# Altium PCB 水杯V1.1_ZM_20210702.PcbDoc (continued)
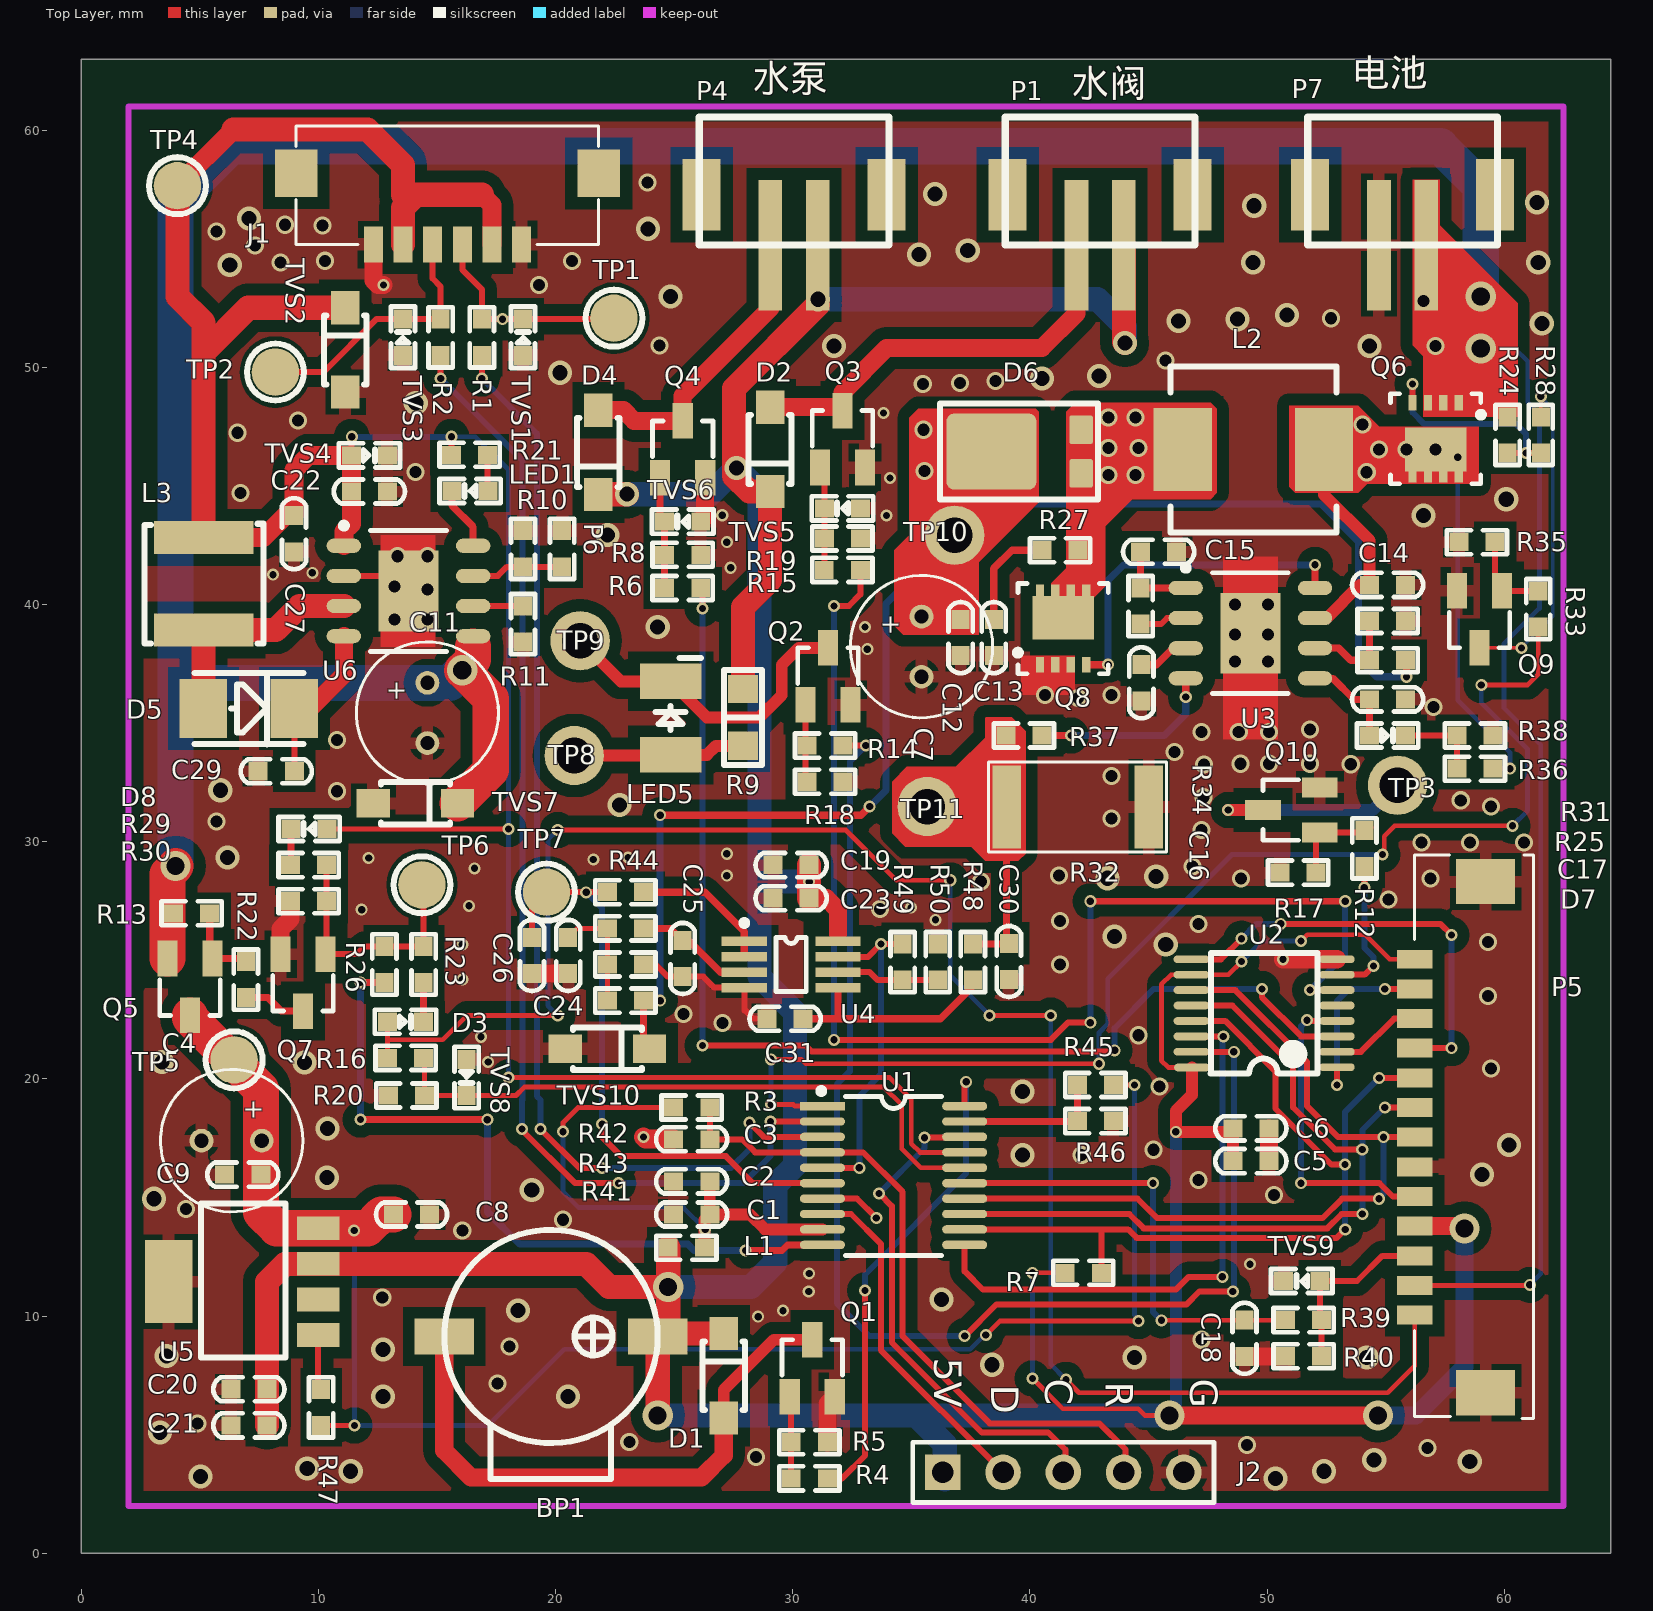
[diagram p0: Top Layer view]
## Footprints (in the part's own frame and the unit in brackets; to place one, negate y for a bottom-side part, rotate by r counter-clockwise, add the part's x,y. Pads: shape width x height; smd on the part's side, far side on the other; paste and mask are expansions set on the pad) (continued)
TO227 [mm] "DPAK"
  rrect20% 1.2x1 smd: 1(-0.92,-3.25) 1(0.92,-3.25)
  rrect20% 3.2x3.8 smd: 2(0,0.533)
  silkscreen extent -2.02,-3.96 2.04,2.69
TP [mm] "Test Point"
  round 2 smd: 1(0,0)
  silkscreen extent -1.2,-1.2 1.2,1.2
TSSOP20 [mm] "20-pin, 4.40 mm body, 0.65"
  rect 1.9x0.356 smd: 1(-3,2.921)
  oval 1.9x0.356 smd: 2(-3,2.271) 3(-3,1.621) 4(-3,0.971) 5(-3,0.321) 6(-3,-0.329) 7(-3,-0.979) 8(-3,-1.629) 9(-3,-2.279) 10(-3,-2.929) 11(3,-2.929) 12(3,-2.279) 13(3,-1.629) 14(3,-0.979) 15(3,-0.329) 16(3,0.321) 17(3,0.971) 18(3,1.621) 19(3,2.271) 20(3,2.921)
  silkscreen extent -3.17,-3.38 2.03,3.68, body extent -3.27,-3.3 3.28,3.3, height 1.2

## Part data
BP1: library part SPEAKER, "无源蜂鸣器 3.3V 频率2731"
C1 C2 C3 C5 C6 C9 C12 C13 C14 C15 C16 C17 C18 C19 C23 C24 C25 C29 C30 C31: library part CAP4, "贴片电容 10%"
C4 C7 C11: library part CAP2, "电解电容"
C8 C20 C27: library part CAP, "Capacitor"
C21: library part C, "C"
C22: library part CAP4, "贴片电容 20%"
C26: library part C, "贴片电容 10%"
D1 D2 D3 D4 D7 D8: library part DIODE2, "小封装二极管"
D5 D6: library part DIODE2, "肖特基二极管"
J1: library part SIP-6, "USB 3.1 Type-C 2.0短体母座 6P贴片式"
J2: library part SIP-5, "下载口(NC)"
L1: library part CIZHU1, "贴片磁珠100R 100M"
L2 L3: library part Inductor1, "10uH 1A"
LED1 LED5: library part LED0, "LED 3528 蓝"
P1 P4 P7: library part SIP-2, "间距2.0mm 立贴 2Pin"
P5: "Header, 13-Pin"
P6: library part RES3, "卧贴"
Q1 Q2 Q7 Q9 Q10: library part NPN-1, "NPN"
Q3 Q4 Q8: library part "MOSFET N", "MOSFET N"
Q5: library part "MOSFET P", "MOSFET P"
Q6: library part MOSFET-P-B, "MOSFET-P"
R1 R2 R3 R4 R5 R6 R7 R8 R9 R12 R14 R15 R17 R18 R19 R42 R45 R46 R48 R49 R50: library part RES0, "贴片电阻 5%"
R10 R11 R44: library part R, "贴片电阻 1%"
R13 R16 R20 R21 R22 R23 R24 R25 R26 R27 R28 R29 R30 R31 R32 R33 R34 R35 R36 R37 R38 R39 R40 R47: library part R, "贴片电阻 5%"
R41 R43: library part RES0, "贴片电阻 1%"
TP1 TP2 TP4 TP5 TP6 TP7: library part TP-1, "测试点"
TVS1 TVS2 TVS3 TVS4 TVS5 TVS6 TVS7 TVS8 TVS9 TVS10: library part TVS-1, "ESD二极管"
U1: "新唐MCU"
U2: "逻辑IC"
U4: library part LM358, "运放"
U6: library part CS5095E

## Via types
v1: diameter 0.508, hole 0.305, Top Layer to Bottom Layer, tented both sides, 135 vias
v2: diameter 0.762, hole 0.508, Top Layer to Bottom Layer, tented both sides, 105 vias
v3: diameter 1.016, hole 0.635, Top Layer to Bottom Layer, tented both sides, 63 vias
v4: diameter 1.27, hole 0.762, Top Layer to Bottom Layer, tented both sides, 9 vias

## Nets (pads, with @x,y where several pads share a name; then routed paths per layer and width w, separated by ;. In a path a pad name is that pad's centre, name@x,y a point inside that pad or via, vN(x,y) a via of type N, cw(c..) or ccw(c..) an arc to the next point about the centre after c; other vN are vias at no path point)
CE: P5.8 U1.13 U2.12 | length 34.1
  Top Layer w0.254: U1.13 44.194,14.308 44.796,13.706 52.546,13.706 53.148,14.308 v1(54.017,14.308) ; U2.12 48.535,23.097 51.094,20.539 51.094,18.805 52.872,17.027 v1(54.014,17.027) ; v1(54.966,18.798) P5.8
  Bottom Layer w0.254: v1(54.017,14.308) 54.017,17.849 v1(54.966,18.798)
CLK: P5.7 U1.14 U2.11 | length 33.9
  Top Layer w0.254: U1.14 44.539,14.958 45.366,14.131 52.337,14.131 53.164,14.958 54.709,14.958 v1(54.716,14.951) ; U2.11 48.66,23.747 51.689,20.718 51.689,18.854 52.996,17.548 v1(54.908,17.548) P5.7
  Bottom Layer w0.254: v1(54.716,14.951) 54.908,15.143 v1(54.908,17.548)
DAT: U1.11 U2.14 | length 24
  Top Layer w0.254: U1.11 37.255,11.892 38.025,11.122 46.155,11.122 46.692,11.659 v1(48.115,11.659) ; U2.14 48.151,21.797 v1(48.158,21.791)
  Bottom Layer w0.254: v1(48.115,11.659) 48.115,21.748 v1(48.158,21.791)
GND: C1.1 C2.1 C3.2 C4.2 C5.1 C6.1 C7.2 C8.2 C9.1 C11.2 C12.2 C13.2 C14.1 C15.1 C16.1 C17.1 C18.1 C19.1 C20.2 C21.1 C22.1 C23.1 C24.1 C25.1 C26.2 C27.2 C29.1 C30.1 C31.1 J1.1 J1.6 J2.5 P5.0 P5.6 P6.1 P7.1 Q1.2 Q2.2 Q3.2 Q4.2 Q7.2 Q8.3 Q9.2 Q10.2 R5.2 R8.1 R10.1 R11.1 R17.2 R18.2 R19.1 R20.1 R30.1 R31.2 R32.1 R35.1 R38.2 R40.1 R43.1 R46.2 R50.2 TVS1.1 TVS2.1 TVS3.1 TVS4.2 TVS5.1 TVS6.1 TVS7.1 TVS8.1 TVS9.2 TVS10.1 U1.7 U2.8 U3.9 U4.4 U5.5 U6.2 U6.9 | length 28.7
  Top Layer w0.254: U6.2 13.173,41.21 U6.9 ; R43.1 24.222,24.827 24.73,24.319 C25.1 26.233,24.319 26.7,23.852 U4.4 27.962,22.893 27.994,22.893 28.347,22.541 C31.1 ; U1.7 32.713,14.958 v1(33.527,14.144)
  Top Layer w0.762: Q7.2 8.413,26.32 8.829,26.736 R30.1 ; J1.6 12.324,53.667 12.515,53.475 v1(12.755,53.475) ; C26.2 C24.1 ; TVS6.1@26.315,43.684 Q4.2 ; R5.2 31.465,6.298 Q1.2 ; C18.1 50.772,8.308 R40.1 ; C5.1 C6.1 ; v1(50.67,25.047) U2.8
  Top Layer w0.8: v1(23.714,17.558) 23.796,17.476 C3.2@24.984,17.476
  other v1: 28.547,9.979 29.591,10.234 30.679,11.045 30.699,11.802 49.276,12.192 17.166,20.721 16.865,21.781 16.074,24.196 16.074,25.665 36.022,26.709 11.832,27.139 34.989,27.222 16.359,27.302 27.227,28.573 16.589,28.882 21.598,29.256 12.128,29.313 23.062,29.34 27.227,29.495 33.147,38.119 33.05,39.051 8.095,41.261 9.752,41.338 27.39,41.552 27.227,42.63 33.962,43.75 27.032,43.765 34.106,45.334 33.827,48.081
  other v2: 28.448,4.064 56.769,4.445 49.149,4.572 23.114,4.699 4.915,5.482 17.55,7.168 18.067,8.722 47.243,9.009 12.7,10.795 16.074,13.614 20.319,14.067 4.428,14.523 50.292,15.113 47.117,15.748 42.187,16.803 45.212,17.018 45.466,19.685 59.436,20.447 44.577,21.844 27.051,22.352 25.4,22.733 59.309,23.495 41.277,24.827 59.309,25.781 47.117,26.543 41.277,26.658 33.676,27.158 55.118,27.559 37.948,28.323 48.895,28.448 56.896,28.448 41.222,28.573 46.863,28.956 56.515,29.972 58.547,29.972 60.833,29.972 47.243,30.497 5.715,30.861 43.434,30.988 59.436,31.496 58.166,31.75 47.325,31.877 10.795,32.131 43.434,32.766 47.337,33.266 53.528,33.269 48.878,33.289 50.086,33.289 51.816,33.289 46.101,33.782 10.795,34.29 47.243,34.63 48.807,34.63 50.086,34.63 51.805,34.734 57.023,35.687 42.037,36.068 40.64,36.195 43.434,36.195 48.641,37.592 50.038,37.592 48.641,38.735 50.038,38.735 13.208,39.37 14.605,39.37 48.641,40.005 50.038,40.005 14.605,40.64 13.208,40.767 13.335,42.037 14.605,42.037 6.731,44.704 14.097,45.593 6.604,47.244 9.144,47.752 35.487,49.301 37.06,49.339 38.557,49.434 45.72,50.292 24.384,50.927 52.705,52.07 19.304,53.467 8.413,54.428 10.287,54.493 20.701,54.483 7.331,55.135 5.713,55.734 10.189,55.985 8.599,56.013 23.876,57.785
  other v3: 50.353,3.163 5.044,3.243 11.37,3.465 52.397,3.465 9.539,3.576 58.545,3.876 54.517,3.937 3.324,5.102 12.729,6.609 20.539,6.609 38.412,7.954 44.41,8.254 54.202,8.254 3.602,8.32 12.729,8.598 18.416,10.234 36.268,10.711 3.075,14.951 19.001,15.326 10.371,15.838 59.061,15.969 39.686,16.803 60.198,17.217 10.399,17.919 39.686,19.47 9.428,20.693 3.408,20.721 45.728,25.665 43.575,26.007 43.277,28.463 45.327,28.534 6.17,29.33 22.698,31.551 5.872,32.173 24.312,39.051 22.19,42.926 56.594,43.75 60.084,44.44 14.111,48.505 40.513,49.53 42.915,49.642 20.194,49.774 31.738,50.902 54.321,50.902 61.582,51.847 46.269,51.954 48.749,52.03 50.835,52.201 24.857,52.991 6.27,54.318 49.403,54.428 61.433,54.428 35.335,54.759 37.382,54.929 23.908,55.842 7.083,56.268 49.459,56.813 61.388,56.952 36.004,57.313
IS: C30.2 R32.2 R37.1 R48.2 TP11.1 | length 7.3
  Top Layer w0.3: R48.2 39.091,25.69 C30.2 39.017,25.815 R32.2
IS_ADC: R49.2 U1.5 U4.7 | length 14.3
  Top Layer w0.254: U1.5 v1@32.809,16.258 ; U4.7 33.182,25.152 v1(33.721,25.69) R49.2
  Bottom Layer w0.254: v1(32.812,16.255) 32.812,19.285 33.721,20.193 v1(33.721,25.69)
KEY_PUMP+: BP1.1 C5.2 C6.2 C19.2 C20.1 C21.2 C23.2 D1.2 D2.2 D4.2 J2.1 L1.1 P1.2 P4.2 P5.4 P5.13 R7.2 R9.2 U2.10 U2.16 U4.8 U5.3 | length 217
  Top Layer w0.203: v1(40.115,7.374) 41.389,6.1 44.567,6.1 44.851,5.816 v4(45.893,5.816) ; v1(40.115,11.83) R7.2 ; U2.16 45.836,20.486 45.545,20.777 45.545,23.985 45.958,24.397 U2.10 48.368,24.397 v1(48.925,24.954) ; v1(51.435,25.818) 51.696,26.079 54.138,26.079 55.169,25.048 P5.13
  Top Layer w0.508: U2.16 46.83,19.325 46.155,18.65 v1(46.155,17.773) 48.411,17.773 C6.2 C5.2
  Top Layer w0.762: C23.2 31.422,27.621 31.912,27.132 31.912,26.118 ; v4(45.893,5.816) v4(54.671,5.816) ; P5.4 58.221,13.798 v4(58.322,13.697)
  Top Layer w1.016: C21.2 C20.1 7.839,11.443 8.601,12.206 U5.3 21.298,12.206 22.266,11.238 v4(24.755,11.238) ; D4.2 21.822,44.653 v3(23.014,44.653) ; v4(24.312,5.816) BP1.1 BP1.1@24.438,9.27 ; L1.1 v4(24.755,11.238) ; D1.2 BP1.1@24.438,9.27 ; R9.2 27.905,39.886 29.048,41.029 D2.2 28.176,44.766 27.531,45.41 27.531,49.107 P4.2@31.062,52.638 ; C23.2 v1(30.699,28.319) C19.2 ; P1.2 43.963,51.08 v3(44.016,51.027) ; BP1.1@24.438,9.27 24.755,9.587 v4(24.755,11.238)
  Bottom Layer w0.203: v1(40.115,7.374) v1(40.115,11.83) ; v1(48.925,24.954) 49.789,25.818 v1(51.435,25.818)
  Bottom Layer w0.508: v4(45.893,5.816) 46.155,6.078 v1(46.155,17.773)
  Bottom Layer w0.762: v4(54.671,5.816) 56.268,5.816 58.322,7.87 v4(58.322,13.697)
  Bottom Layer w1.016: v3(23.014,44.653) 26.52,44.653 v3(27.627,45.759) 28.599,44.787 28.599,28.51 ; v4(24.312,5.816) 35.207,5.816 ; v4(24.755,11.238) 28.236,11.238 29.268,12.27 29.268,15.522 30.099,16.353 30.099,22.816 28.599,24.316 28.599,28.51 ; v1(30.699,28.319) 28.79,28.319 28.599,28.51 ; v3(31.075,52.871) 42.854,52.871 44.016,51.709 v3(44.016,51.027) ; J2.1@36.414,3.11 36.414,4.61 35.207,5.816 ; v4(45.893,5.816) 35.207,5.816
KEY_PUMP-: P5.3 R39.2 R40.2 TVS9.1 | length 7.8
  Top Layer w0.254: R40.2@52.424,8.188 R40.2 R39.2 52.227,9.909 TVS9.1 53.793,11.483 54.858,12.548 P5.3
LED_BLUE: R14.1 U2.15 | length 54.9
  Top Layer w0.254: R14.1 v1(33.085,34.055) ; v1(37.255,9.164) 38.593,10.502 46.608,10.502 47.151,11.045 v1(48.557,11.045) ; U2.15 48.595,21.147 v1(48.598,21.144)
  Bottom Layer w0.254: v1(33.085,34.055) 32.411,33.381 32.411,20.32 31.865,19.775 31.865,10.54 33.241,9.164 v1(37.255,9.164) ; v1(48.557,11.045) 48.598,11.086 v1(48.598,21.144)
LED_BLUE2: R12.1 U2.7 | length 6.2
  Top Layer w0.254: U2.7 54.115,24.397 v1(54.483,24.765) ; v1(54.102,28.067) R12.1
  Bottom Layer w0.254: v1(54.102,28.067) 54.102,25.527 54.483,25.146 v1(54.483,24.765) v1@54.483,24.638
LED_DIA1: P5.5 U2.4 | length 13.3
  Top Layer w0.254: v1(51.435,15.608) 54.741,15.608 55.301,15.048 P5.5 ; v1(51.689,22.479) 51.721,22.447 U2.4
  Bottom Layer w0.254: v1(51.435,15.608) 51.435,22.225 v1(51.689,22.479)
LED_DIA2: U2.5
LED_GREEN: P5.11 U2.2 | length 3.9
  Top Layer w0.254: U2.2 53.953,21.147 55.354,22.548 P5.11
LED_RED: P5.12 U2.1 | length 7.6
  Top Layer w0.254: v1(52.947,19.747) U2.1 ; v1(54.967,23.798) 55.895,23.798 P5.12@55.895,23.935
  Bottom Layer w0.254: v1(52.947,19.747) 52.947,23.277 53.467,23.798 v1(54.967,23.798)
NetBP1_2: BP1.2 D1.1 Q1.3 | length 24.8
  Top Layer w0.5: D1.1 27.097,6.896 29.21,9.009 Q1.3
  Top Layer w0.762: BP1.2 15.312,4.33 16.44,3.202 26.162,3.202 27.097,4.137 D1.1
NetC13_1: C13.1 R27.2 | length 4.5
  Top Layer w0.3: C13.1 38.481,41.529 39.243,42.291 R27.2
NetC15_2: C15.2 R34.1 U3.1 | length 3.4
  Top Layer w0.3: C15.2 R34.1 U3.1
NetC16_2: C16.2 U3.3 | length 2.2
  Top Layer w0.3: C16.2 45.339,37.465 46.036,38.162 U3.3
NetC17_2: C17.2 D7.1 U3.5 | length 4.2
  Top Layer w0.3: U3.5 52.77,36.892 53.659,36.003 C17.2 D7.1
NetC18_2: C18.2 R39.1 U1.15 | length 19.1
  Top Layer w0.203: v1(45.545,9.826) 45.551,9.832 C18.2 50.772,9.832 R39.1
  Top Layer w0.254: U1.15 v1(45.189,15.608)
  Bottom Layer w0.254: v1(45.189,15.608) 45.189,10.182 v1(45.545,9.826) v1@45.552,9.82
NetC24_2: C24.2 R41.1 R42.2 R43.2 | length 4.9
  Top Layer w0.203: C24.2 20.92,26.351 R42.2 R43.2 R41.1
NetC25_2: C25.2 R42.1 U4.3 | length 5
  Top Layer w0.3: R42.1 24.857,26.351 C25.2 25.619,25.843 26.96,24.502 U4.3
NetC26_1: C26.1 R44.1 TP7.1 U1.6 | length 25.4
  Top Layer w0.254: C26.1 19.015,27.264 TP7.1 R44.1 ; v1(21.972,18.095) 21.972,17.552 22.775,16.749 27.182,16.749 28.323,15.608 U1.6
  Bottom Layer w0.254: v1(21.298,27.871) 21.972,27.197 v1(21.972,18.095)
NetC29_2: C29.2 D5.2 U6.4 | length 7
  Top Layer w0.254: D5.2 8.992,32.974 C29.2
  Top Layer w0.762: D5.2 9.655,35.622 11.083,37.05 U6.4
NetC31_2: C31.2 R48.1 U4.5 | length 9.2
  Top Layer w0.3: C31.2 36.228,22.541 37.599,23.912 R48.1 ; 31.912,22.668 U4.5
NetD2_1: D2.1 P1.1 Q3.3 | length 18
  Top Layer w0.762: D2.1 31.956,48.322 Q3.3 32.1,48.946 33.962,50.808 40.502,50.808 41.963,52.269 P1.1
NetD3_2: D3.2 R23.2 | length 1.7
  Top Layer w0.3: D3.2 R23.2
NetD4_1: D4.1 P4.1 Q4.3 | length 12.7
  Top Layer w0.762: D4.1 22.872,48.195 23.323,47.744 Q4.3 25.365,48.797 29.062,52.494 P4.1
NetD5_1: D5.1 L3.2 U6.3 | length 9.6
  Top Layer w1.016: D5.1 5.172,35.632 L3.2 8.206,38.924 9.222,39.94 U6.3
NetD6_1: D6.1 L2.2 Q8.2 R27.1
  other v2: 43.307,45.466 44.45,45.466 43.307,46.609 44.577,46.609 43.307,47.879 44.45,47.879
NetD7_2: D7.2 R36.1 R38.1 | length 3.6
  Top Layer w0.254: D7.2 R38.1 R36.1
NetD8_2: D8.2 R29.1 | length 1.1
  Top Layer w0.3: 8.855,29.481 D8.2
NetJ1_3: J1.3 R1.1 TP1.1 TVS1.2 | length 9.1
  Top Layer w0.254: J1.3 16.074,54.113 16.898,53.289 R1.1 v1(17.766,52.03) TVS1.2 22.425,52.03 TP1.1
NetJ1_4: J1.4 R2.1 TP2.1 TVS3.2 | length 11.2
  Top Layer w0.254: TP2.1 10.222,49.801 12.452,52.03 TVS3.2 R2.1 15.162,53.407 14.824,53.745 J1.4
NetLED1_1: LED1.1 R21.2 | length 1.5
  Top Layer w0.254: R21.2 17.14,44.815 LED1.1
NetLED1_2: LED1.2 U6.8 | length 2.7
  Top Layer w0.3: LED1.2 15.642,44.169 16.533,43.278 U6.8
NetLED5_1: LED5.1 R9.1 TP8.1 | length 7.3
  Top Layer w0.508: TP8.1 24.828,33.636 LED5.1 26.385,33.665 26.761,34.041 R9.1
NetLED5_2: LED5.2 Q2.3 TP9.1 | length 13.8
  Top Layer w0.5: TP9.1 22.753,36.765 LED5.2 26.38,35.241 28.603,35.241 29.539,36.176 29.539,37.454 30.261,38.176 Q2.3
NetP6_2: P6.2 R10.2 U6.7 | length 3.9
  Top Layer w0.254: U6.7 17.569,41.21 17.95,41.591 R10.2 P6.2
NetQ1_1: Q1.1 R4.2 R5.1 | length 3.5
  Top Layer w0.254: Q1.1 29.941,6.544 R5.1 R4.2
NetQ2_1: Q2.1 R14.2 R18.1 | length 3.3
  Top Layer w0.254: Q2.1 30.546,32.592 R18.1
NetQ3_1: Q3.1 R15.2 R19.2 TVS5.2 | length 4.4
  Top Layer w0.254: Q3.1 31.338,45.59 TVS5.2 R19.2 31.338,41.468 R15.2
NetQ4_1: Q4.1 R6.2 R8.2 TVS6.2 | length 4.7
  Top Layer w0.3: Q4.1 24.415,43.684 TVS6.2 R8.2 R6.2
NetQ5_1: Q5.1 R13.2 R22.2 | length 3.4
  Top Layer w0.3: R13.2 5.426,25.203 Q5.1 6.823,25.081 R22.2
NetQ6_1: Q6.1 R24.2 R28.1 | length 9.4
  Top Layer w0.254: Q6.1 v1(56.134,49.301) ; R24.2@59.981,46.328 60.046,46.393 R24.2 v1(60.925,46.393) 61.313,46.393 R28.1@61.378,46.328
  Bottom Layer w0.254: v1(56.134,49.301) 56.134,48.099 56.627,47.606 60.502,47.606 60.925,47.184 v1(60.925,46.393)
NetQ7_1: Q7.1 R23.1 R26.2 R29.2 R30.2 TP6.1 | length 10.7
  Top Layer w0.254: R29.2 R30.2 10.353,25.305 Q7.1 11.624,25.265 11.948,25.589 R26.2 R23.1 14.443,28.119 TP6.1
NetQ7_3: Q7.3 R22.1 | length 2.6
  Top Layer w0.3: R22.1 7.874,23.43 8.439,22.865 Q7.3
NetQ8_1: Q8.1 U3.8 | length 14.5
  Top Layer w0.3: Q8.1 v1(43.302,37.465) ; U3.8 v1(52.024,41.675)
  Bottom Layer w0.3: v1(43.302,37.465) 43.302,41.035 43.942,41.675 v1(52.024,41.675)
NetQ9_1: Q9.1 R33.2 R35.2 | length 3.7
  Top Layer w0.254: R35.2 59.612,40.866 Q9.1 R33.2
NetQ9_3: Q9.3 R28.2 | length 14
  Top Layer w0.152: Q9.3 v1(60.722,38.175) ; R28.2 61.541,48.764 v1(61.543,48.767)
  Bottom Layer w0.152: v1(60.722,38.175) 62.049,39.501 62.049,48.261 v1(61.543,48.767)
NetQ10_1: Q10.1 R12.2 R17.1 | length 4
  Top Layer w0.254: R17.1 52.07,30.234 Q10.1 54.141,30.392 R12.2@54.356,30.607
NetQ10_3: Q10.3 TP3.1 | length 9
  Top Layer w0.508: v1(48.36,31.342) Q10.3
  Bottom Layer w0.508: v1(48.36,31.342) 54.456,31.342 TP3.1
NetR11_2: R11.2 U6.6 | length 2.1
  Top Layer w0.254: U6.6 R11.2
NetR16_1: R16.1 R20.2 TVS8.2 U1.16 | length 27
  Top Layer w0.203: R16.1 14.478,20.854 R20.2 TVS8.2 18.338,19.304 18.691,19.657 33.85,19.657 34.601,18.906 34.601,17.055 35.398,16.258 U1.16
NetR25_2: R25.2 R31.1 U3.6 | length 4.2
  Top Layer w0.3: U3.6 53.024,38.162 53.532,37.654 R25.2 R31.1
NetR26_1: R26.1 U1.10 | length 30.9
  Top Layer w0.3: v1(11.78,18.293) 11.788,18.285 v1(17.13,18.285) ; v1(11.78,24.065) R26.1 ; v1(28.013,12.775) 29.551,12.775 29.784,13.008 U1.10
  Bottom Layer w0.3: v1(11.78,18.293) v1(11.78,24.065) ; v1(17.13,18.285) 17.13,14.402 18.486,13.045 25.578,13.045 25.848,12.775 v1(28.013,12.775)
NetR33_1: R33.1 U1.1 | length 53.6
  Top Layer w0.203: v1(29.083,20.828) 30.36,20.828 30.546,20.642 v1(42.915,20.642) ; v1@29.148,18.858 v1(29.083,18.923) 30.034,18.923 30.099,18.858 U1.1 ; v1(54.864,29.464) 54.94,29.54 54.94,30.235 55.379,30.673 v1(60.349,30.673) ; v1(59.034,36.611) 60.987,36.611 61.433,37.057 R33.1
  Bottom Layer w0.203: v1(29.083,18.923) v1(29.083,20.828) ; v1(42.915,20.642) 42.915,21.955 43.283,22.324 43.283,24.225 48.522,29.464 v1(54.864,29.464) ; v1(59.034,36.611) 59.034,35.857 60.983,33.908 60.983,31.308 v1(60.349,30.673)
NetR34_2: R34.2 U3.2 | length 2
  Top Layer w0.254: R34.2 45.528,39.178 45.782,39.432 U3.2
NetR37_2: R37.2 U3.4 | length 7.9
  Top Layer w0.3: R37.2 v1(41.736,34.479) ; v1(46.574,36.103) U3.4
  Bottom Layer w0.3: v1(41.736,34.479) 45.669,34.479 46.574,35.384 v1(46.574,36.103)
NetR44_2: R44.2 U4.1 U4.2 | length 6
  Top Layer w0.3: R44.2 26.311,27.875 27.962,26.224 U4.1 U4.2
NetR47_2: R47.2 U5.1 | length 2.3
  Top Layer w0.254: U5.1 9.998,7.047 R47.2
NetR49_1: R49.1 R50.1 U4.6 | length 4.3
  Top Layer w0.254: U4.6 33.248,24.502 33.584,24.166 R49.1 R50.1
OCDDA: J2.2 U1.8 | length 14.8
  Top Layer w0.254: U1.8 32.46,14.308 33.721,13.047 33.721,8.57 J2.2
OCDDCK: J2.3 U1.18 | length 21.8
  Top Layer w0.254: v1(33.644,15.175) 34.182,14.638 34.182,8.893 37.976,5.098 40.775,5.098 41.494,4.38 J2.3@41.494,3.11 ; v1(35.56,17.526) 37.223,17.526 U1.18
  Bottom Layer w0.254: v1(33.644,15.175) 35.56,17.092 v1(35.56,17.526)
OE: P5.9 R7.1 U1.12 U2.13 | length 36.6
  Top Layer w0.254: U1.12 43.051,13.658 ; R7.1 43.014,13.62 43.051,13.658 ; U2.13 48.235,22.447 50.353,20.33 50.353,18.757 52.715,16.394 v1(53.282,16.394) ; v1(53.296,13.658) 52.937,13.299 44.503,13.299 44.144,13.658 43.051,13.658 ; v1(54.728,20.048) P5.9
  Bottom Layer w0.254: v1(53.296,13.658) 53.296,18.615 v1(54.728,20.048)
PUMP: R6.1 U2.3 | length 48.8
  Top Layer w0.254: R6.1 26.204,40.625 v1(26.204,39.837) ; v1(26.204,21.409) 30.546,21.409 30.786,21.169 43.537,21.169 v1(43.575,21.207) ; v1(49.784,23.798) 49.784,23.448 51.435,21.797 U2.3
  Bottom Layer w0.254: v1(26.204,21.409) v1(26.204,39.837) ; v1(43.575,21.207) 43.575,22.149 45.224,23.798 v1(49.784,23.798)
PWR_KEY+: C11.1 P5.2 P7.2 Q5.2 Q6.3 R13.1 R24.1 TVS7.2 U6.5 | length 163.1
  Top Layer w0.203: P5.2 61.053,11.298 v1(61.079,11.324) ; 58.512,48.514 59.057,48.514 59.655,47.917 R24.1
  Top Layer w1.524: Q5.2 3.648,28.637 v4(3.99,28.98) ; TVS7.2 17.272,33.02 17.272,36.034 v4(16.074,37.232) 16.533,37.691 16.533,38.227
  Bottom Layer w0.203: v4(59.009,50.792) 60.446,50.792 60.988,50.25 60.988,48.537 61.48,48.044 61.48,39.841 59.984,38.345 59.984,35.644 61.541,34.087 61.541,11.786 v1(61.079,11.324)
  Bottom Layer w1.524: v4(3.99,28.98) 3.99,36.701 ; v4(16.074,37.232) 15.542,36.701 3.99,36.701 ; v4(59.009,52.991) 59.009,57.62 57.306,59.323 6.329,59.323 3.99,56.985 3.99,36.701
  other v2: 57.106,50.902 56.594,52.796
PWR_KEY-: D3.1 P5.1 R16.2 | length 76.8
  Top Layer w0.203: R16.2 12.919,21.652 ; D3.1 12.919,21.652 ; v1(20.098,22.682) 16.281,22.682 15.251,21.652 12.919,21.652 ; v1(20.098,30.494) 32.25,30.494 34.365,28.379 v1(36.644,28.379) ; v1(38.295,22.682) v1(40.881,22.682) ; v1(41.525,7.322) 42.073,6.773 55.092,6.773 56.226,7.906 P5.1
  Bottom Layer w0.203: v1(20.098,22.682) 19.685,23.095 19.685,30.082 v1(20.098,30.494) ; v1(36.644,28.379) 36.644,24.367 v1@38.295,22.716 ; v1(40.881,22.682) 40.881,7.966 v1(41.525,7.322)
RST: C3.1 J2.4 R3.2 U1.4 | length 29.1
  Top Layer w0.254: R3.2 C3.1 27.869,17.457 28.418,16.908 U1.4 32.968,16.908 34.636,15.24 34.636,9.156 38.306,5.486 42.933,5.486 44.034,4.386 J2.4@44.034,3.11
RXD: R1.2 U1.3 | length 47.9
  Top Layer w0.254: v1(16.898,49.53) R1.2 ; v1(19.37,17.887) 21.007,16.251 v1(21.972,16.251) ; v1(28.183,18.156) 28.781,17.558 U1.3
  Bottom Layer w0.254: v1(16.898,49.53) 19.22,47.208 19.22,19.274 19.37,19.123 v1(19.37,17.887) ; v1(21.972,16.251) 27.397,16.251 28.183,17.037 v1(28.183,18.156)
SATA: C22.2 C27.1 D8.1 J1.2 J1.5 L3.1 R21.1 TP4.1 TVS2.2 TVS4.1 U1.17 U6.1 | length 118.7
  Top Layer w0.203: D8.1 v1(18.023,30.542) ; v1(18.023,20.06) 34.087,20.06 35.004,19.143 35.004,17.28 35.376,16.908 U1.17
  Top Layer w0.254: TVS4.1 11.395,47.054 v1(11.415,47.074) ; R21.1 v1(15.616,47.074)
  Top Layer w0.8: TP4.1 6.435,60.029 ; L3.1 7.685,42.824 8.611,43.75 C27.1 8.982,45.672 9.6,46.29 TVS4.1 C22.2 11.395,43.395 11.083,43.083 U6.1 ; 16.898,57.277 17.324,56.851 J1.2
  Top Layer w1.016: TP4.1 4.064,52.991 5.172,51.883 5.172,50.633 ; L3.1 5.172,50.633 ; 6.435,60.029 12.074,60.029 13.574,58.529 13.574,57.277 14.122,57.277 ; TVS2.2 7.051,52.513 5.172,50.633 ; J1.5 13.574,56.729 14.122,57.277 ; 16.898,57.277 14.122,57.277
  Bottom Layer w0.203: v1(15.616,47.074) 16.628,47.074 18.023,45.679 v1(18.023,30.542) v1(18.023,20.06)
  Bottom Layer w0.254: v1(11.415,47.074) v1(15.616,47.074)
SPEAK: R4.1 U1.20 | length 20.6
  Top Layer w0.254: R4.1 32.088,3.163 33.05,4.125 v1(33.05,11.085) ; U1.20 37.255,19.82 v1(37.315,19.88)
  Bottom Layer w0.254: v1(33.05,11.085) 33.05,11.755 37.315,16.02 v1(37.315,19.88)
SQH: P5.10 U2.9 | length 18.1
  Top Layer w0.254: U2.9 48.055,25.047 v1(48.925,25.917) ; v1(50.577,26.54) 57.308,26.54 v1(57.779,26.069) ; P5.10 v1(57.779,21.298)
  Bottom Layer w0.254: v1(48.925,25.917) 49.548,26.54 v1(50.577,26.54) ; v1(57.779,21.298) v1(57.779,26.069)
TXD: R2.2 U1.2 | length 49.6
  Top Layer w0.254: v1(15.162,49.53) R2.2 ; v1(18.591,17.897) 18.591,17.845 20.828,15.608 v1(22.654,15.608) ; v1(29.063,18.208) U1.2
  Bottom Layer w0.254: v1(15.162,49.53) 18.604,46.089 18.604,19.117 18.591,19.13 v1(18.591,17.897) ; v1(22.654,15.608) 27.921,15.608 29.063,16.749 v1(29.063,18.208)
V24: C7.1 C12.1 D6.2 R25.1 R41.2 TP10.1 TVS10.2 | length 58.8
  Top Layer w0.3: TVS10.2 23.714,21.525 R41.2 v1(24.415,23.303) ; v1(24.415,31.12) 32.887,31.12 v1(33.25,31.484) ; R25.1 55.88,37.618 v1(55.88,36.957)
  Bottom Layer w0.3: v1(24.415,23.303) v1(24.415,31.12) ; v1(33.25,31.484) 33.938,32.172 33.938,40.034 TP10.1 38.146,44.242 52.278,44.242 53.848,42.672 53.848,37.719 54.61,36.957 v1(55.88,36.957)
  other v2: 35.553,45.627 35.525,47.371
VALUE: R15.1 U2.6 | length 53.1
  Top Layer w0.254: v1(31.738,21.652) 40.883,21.652 41.604,22.372 v1(42.55,22.372) ; v1(31.738,39.94) 32.367,39.94 32.858,40.431 R15.1 ; v1(42.55,27.494) v1(53.296,27.494) ; v1(51.805,23.747) U2.6
  Bottom Layer w0.254: v1(31.738,21.652) v1(31.738,39.94) ; v1(42.55,22.372) v1(42.55,27.494) ; v1(51.805,23.747) 53.296,25.238 v1(53.296,27.494)
VBAT_ADC: R45.2 R46.1 U1.19 | length 6.3
  Top Layer w0.3: U1.19 41.987,18.208 R46.1 R45.2
VBAT_OUT: C4.1 C8.1 C9.2 Q5.3 R45.1 R47.1 TP5.1 U5.4 | length 71.2
  Top Layer w0.203: R47.1 v1(11.535,5.396) ; v1(38.144,9.206) 38.732,9.794 v1(44.585,9.794) ; R45.1 43.603,19.669 43.68,19.747 v1(44.41,19.747)
  Top Layer w1.524: Q5.3 4.598,22.567 7.582,19.583 C9.2 7.582,14.371 8.247,13.706 U5.4 12.085,13.706 12.665,14.286 C8.1
  Bottom Layer w0.203: v1(11.518,13.614) 11.535,13.597 v1(11.535,5.396) 17.166,5.396 20.378,8.608 37.485,8.608 38.083,9.206 v1(38.144,9.206) ; v1(44.41,19.747) 44.41,10.052 44.627,9.835 v1(44.585,9.794)
VCC: C1.2 C2.2 L1.2 R3.1 U1.9 | length 22.4
  Top Layer w0.203: v1(20.32,17.78) 20.32,18.161 20.957,18.798 R3.1
  Top Layer w0.5: L1.2 26.279,14.057 C1.2 ; C2.2 C1.2 ; U1.9 28.837,13.658 28.209,14.286 C1.2
  Bottom Layer w0.203: v1(20.32,17.78) 20.32,15.246 20.988,14.578 25.394,14.578 v1(26.315,13.658)
VCC_BAT: C14.2 L2.1 Q6.2 R36.2 U3.7 | length 24.1
  Top Layer w0.203: R36.2 v1(60.237,33.082)
  Top Layer w0.5: U3.7 52.513,39.432 53.91,40.829 C14.2 54.321,42.707 52.397,44.631 L2.1
  Bottom Layer w0.203: v1(58.037,46.212) 58.037,35.969 60.237,33.769 v1(60.237,33.082)
  other v2: 54.202,45.578 54.716,46.539 55.88,46.539 57.109,46.539 54.017,47.599
pads on no net: J1. J1.0 P1.0 P4.0 P5. P7.0 U5.2

## Polygon pours and split planes (outlines as drawn)
GND on Bottom Layer "Top Layer-No Net" (solid, remove dead copper, pour order 0): -2.959,67.204 -0.641,64.886 69.102,64.886 69.102,-2.54 68.576,-3.066 34.336,-3.066 -1.905,-3.066 -6.014,1.042 -2.327,4.73 -2.327,66.677
GND on Top Layer "Top Layer-No Net" (solid, remove dead copper, pour order 2): -1.35,64.129 65.501,64.129 65.501,-0.71 63.681,-2.53 63.107,-1.956 25.084,-1.956 -1.733,-1.956 -6.043,2.354 -1.733,6.664 -1.733,61.065 -1.733,62.98 -0.584,64.129

## Keep-outs
Keep-Out Layer:
  lines w0.254: 2,2 2,61 62.5,61 62.5,2 2,2

## Other copper
Top Layer:
  rectangle net GND: 39.624,36.195 41.91,37.846
  rectangle net GND: 12.627,38.208 14.946,42.926
  rectangle net GND: 48.143,34.303 50.457,42.031
  region net IS: 38.147,35.253 39.231,35.253 39.819,34.665 39.819,29.505 39.512,29.198 38.13,29.198 37.533,29.795 34.753,29.795 34.19,30.358 34.19,32.541 34.804,33.155 36.885,33.155 38.126,34.396 38.126,35.21
  region net NetD6_1: 47.625,48.514 41.91,48.514 41.529,48.133 41.529,41.529 41.021,41.021 40.894,40.894 40.894,40.259 42.672,40.259 43.18,40.767 43.18,43.307 44.323,44.45 47.625,44.45 47.879,44.704 47.879,48.26
  region net V24: 35.306,48.26 34.925,47.879 34.925,42.926 34.29,42.291 34.29,39.116 34.671,38.735 37.846,38.735 37.846,41.783 40.386,44.323 40.386,48.133 40.259,48.26
  region net VCC_BAT: 50.927,48.387 53.848,48.387 54.737,47.498 58.928,47.498 58.928,45.085 54.229,45.085 53.848,44.704 51.181,44.704 50.927,44.958 50.927,47.752
  region net PWR_KEY+: 56.134,57.912 57.277,57.912 57.277,55.993 60.56,52.71 60.56,47.908 56.594,47.908 56.594,50.467 56.134,50.927

## Silkscreen, mask and mechanical layers (free items; w line width, h text height)
Top Overlay:
  text "电池" at 53.584,61.457 h2
  text "水泵" at 28.294,61.214 h2
  text "水阀" at 41.736,61 h2
  text "5V" at 35.56,8.255 h2 r270
  text "C" at 40.259,7.366 h2 r270
  text "G" at 46.355,7.366 h2 r270
  text "R" at 42.799,7.239 h2 r270
  text "D" at 37.973,7.112 h2 r270
Bottom Overlay:
  text "ELE+" at 35.219,43.232 h3
  text "LED-" at 17.907,38.227 h3
  text "ELE-" at 35.687,34.417 h3
  text "LED+" at 17.907,33.02 h3
Mechanical 1:
  the board outline again, w0.127
Mechanical 3:
  lines w0.127: 74.421,227.613 74.421,287.613 75.621,287.613 ; 75.621,227.613 75.621,287.613 ; 113.289,227.613 113.289,287.613 81.621,287.613 75.621,287.613 ; 74.421,198.596 ccw(c81.621,198.596) 81.621,191.396 113.289,191.396 113.289,192.596 81.621,192.596 cw(c81.621,198.596) 75.621,198.596 75.621,212.191 75.594,212.19 75.567,212.19 75.54,212.19 75.514,212.19 75.486,212.19 75.459,212.19 75.431,212.189 75.403,212.189 75.374,212.189 75.345,212.189 75.317,212.189 75.288,212.188 75.258,212.188 75.228,212.188 75.197,212.188 75.167,212.187 75.136,212.187 75.105,212.187 75.074,212.187 75.043,212.186 75.01,212.186 74.978,212.186 74.945,212.185 74.913,212.185 74.879,212.185 74.846,212.184 74.812,212.184 74.778,212.184 74.743,212.183 74.708,212.183 74.673,212.182 74.638,212.182 74.602,212.182 74.566,212.181 74.529,212.181 74.492,212.18 74.455,212.18 74.421,212.179 74.421,198.596
Mechanical 15:
  lines w0.2: -468.054,-205.424 -468.054,-141.424 -401.854,-141.424 -401.854,-205.424 -468.054,-205.424

## Dimensions
0,0 to 64.5,0 on Mechanical 1
0,63 to 0,0 on Mechanical 1

## Text inside footprints (layer, text, board x,y; h text height)
C4: Top Overlay "+" at 6.817,18.357 h0.8
C7: Top Overlay "+" at 34.475,38.694 h0.8 r90
C11: Top Overlay "+" at 13.647,35.9 h0.8 r90